# KiCad board corne-cherry.kicad_pcb (continued)
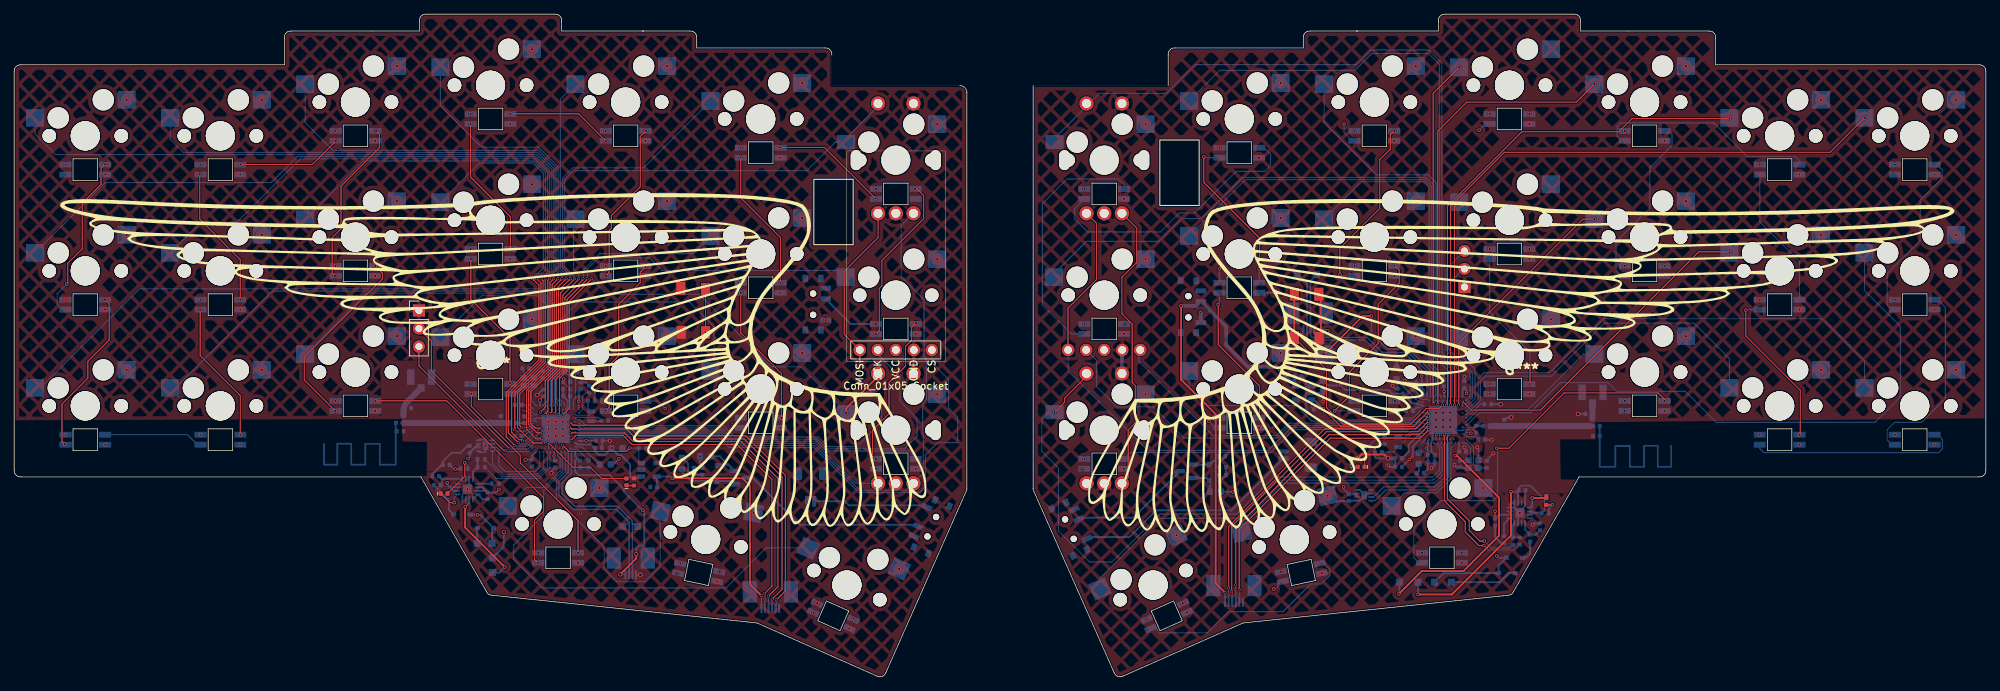
[diagram p0: board, top side]
## Routing (per net, layer and track width the routed paths; a pad name or vN(x,y) marks a point on that pad's centre or on a via; arc(x,y) is an arc through that point) (continued)
/left/KEY5: length 54.1
  Top w0.15: v3(77.84,56.17) 77.67,56 77.67,55.99 76.46,54.78 76.46,43.78 72.85,40.17 72.85,35.73 73.49,35.09 74.41,35.09 v3(74.41,35.1) 74.39,35.09 74.4,35.09
  Bottom w0.15: 74.4,35.09 74.2,35.09 U1.P23 ; v3(77.84,56.17) 77.84,56.77 77.02,57.6 77.02,81.51 SW5.1
/left/KEY6: length 30
  Top w0.15: v3(75.53,37.08) 75.52,37.08 75.81,37.38 75.81,41.85 77.36,43.41 77.36,53.85 79.61,56.1 v3(79.61,56.17)
  Bottom w0.15: 75.55,37.11 75.86,37.43 75.86,37.76 ; v3(79.61,56.17) 79.61,56.77 78.87,57.51 78.87,64.32
/left/KEY7: length 9.3
  Bottom w0.15: SW7.1 77.72,45.53 76.9,44.72 76.9,39.23 77.61,38.52 U1.A8
/left/KEY8: length 37.2
  Bottom w0.15: SW8.1 91.11,15.6 88.92,13.42 84.97,13.42 83.2,15.19 83.2,18.35 76.47,25.08 76.47,27.68 77.72,28.92 77.72,31.65 77.61,31.76
/left/KEY9: length 12.3
  Bottom w0.15: SW9.1 72.23,26.72 74.66,26.72 77,29.05 77,30.88 76.61,31.27 76.61,31.76
/left/KEY10: length 32.6
  Bottom w0.15: SW10.1 66.02,53.84 73.68,53.84 75.32,52.19 75.32,39.08 74.61,38.37 74.61,38.26
/left/KEY11: length 62.1
  Top w0.15: v3(70.6,32.63) 69.39,33.84 69.39,40.1 73.98,44.7 73.98,55.29 73.54,55.74 73.53,55.74 73.28,55.99 73.28,56 v3(73.11,56.17)
  Bottom w0.15: v3(70.6,32.63) 70.67,32.56 72.41,32.56 U1.W24 ; v3(73.11,56.17) 73.11,56.18 74.62,57.68 74.62,71.08 73.21,72.49 65.62,72.49 SW11.1
/left/KEY12: length 67.6
  Top w0.15: v3(77.25,56.17) 77.08,56 77.08,55.99 76.16,55.07 76.16,43.91 72.55,40.29 72.55,35.61 73.74,34.42 v3(74.49,34.44)
  Bottom w0.15: v3(77.25,56.17) 77.25,56.94 76.72,57.47 76.72,71.95 73.95,74.72 65.96,74.72 60.09,80.58 SW12.1 ; U1.T23 74.02,34.42 74.47,34.42
/left/KEY13: length 85.8
  Top w0.15: 74.35,33.69 74.34,33.69 v3(74.41,33.7) 74.36,33.69 73.5,33.69 72.25,34.94 72.25,40.41 75.86,44.03 75.86,55.36 76.66,56.16 v3(76.66,56.17)
  Bottom w0.15: v3(76.66,56.17) 76.66,57.11 76.42,57.35 76.42,71.82 73.95,74.29 44.95,74.29 41.04,78.2 SW13.1 ; 74.35,33.69 74.16,33.5 U1.V23
/left/KEY14: length 81.8
  Top w0.15: v3(73.7,56.17) 73.7,56.16 74.28,55.57 74.28,44.57 69.69,39.98 69.69,34.41 v3(71.07,33.03)
  Bottom w0.15: 73.11,33.76 72.21,32.86 71.24,32.86 v3(71.07,33.03) ; v3(73.7,56.17) 73.7,56.18 74.92,57.39 74.92,71.2 73.33,72.79 49.27,72.79 41.07,64.58
/left/KEY15: length 53
  Bottom w0.15: SW15.1 49.65,54.14 73.8,54.14 75.62,52.32 75.62,38.27
/left/KEY16: length 73.9
  Bottom w0.15: U1.A14 76.12,38.26 76.12,38.74 75.92,38.93 75.92,52.44 73.92,54.44 36.41,54.44 22.74,40.77
/left/KEY17: length 102.5
  Top w0.15: v3(71.71,33.28) 71.53,33.46 71.2,33.46 70.15,34.51 70.15,40.01 74.58,44.45 74.58,55.86 74.29,56.16 v3(74.29,56.17)
  Bottom w0.15: SW17.1 26.31,64.14 31.39,64.14 40.35,73.09 73.45,73.09 75.22,71.33 75.22,57.1 74.29,56.18 v3(74.29,56.17) ; 73.11,34.26 72.14,33.28 v3(71.71,33.28)
/left/KEY18: length 99.2
  Top w0.15: v3(76.07,56.17) 76.07,56.16 75.56,55.65 75.56,44.15 71.3,39.89 71.3,35.46 v3(71.56,35.2)
  Bottom w0.15: v3(76.07,56.17) 76.12,56.22 76.12,71.7 73.83,73.99 23.85,73.99 21.99,75.85 SW18.1 ; U1.J24 72.56,35.2 v3(71.56,35.2)
/left/KEY19: length 121.2
  Top w0.15: v3(75.48,56.17) 75.26,55.95 75.26,44.28 71,40.01 71,35.16 73.17,32.99 v3(74.65,32.99)
  Bottom w0.15: v3(75.48,56.17) 75.48,56.18 75.82,56.52 75.82,71.58 73.7,73.69 5.85,73.69 2.94,76.6 SW19.1 ; v3(74.65,32.99) 73.63,32.99
/left/KEY20: length 120.5
  Top w0.15: v3(70.6,34.86) 70.6,40.04 74.88,44.32 v3(74.88,56.17)
  Bottom w0.15: SW20.1 12.86,69.74 36.25,69.74 39.9,73.39 73.58,73.39 75.52,71.45 75.52,56.97 74.88,56.34 v3(74.88,56.17) ; v3(70.6,34.86) 70.81,34.66 72.14,34.66 72.29,34.82 72.67,34.82 73.11,35.26
/left/KEY21: length 93.7
  Bottom w0.15: 76.61,38.26 76.61,38.67 76.22,39.06 76.22,52.57 74.05,54.74 17.66,54.74 3.69,40.77
/left/KEYEX1: length 84.8
  Top w0.15: v3(74.87,36.98) 74.88,36.99 74.88,37.04 75.26,37.43 75.26,41.73 77.06,43.53 77.06,54.2 78.86,55.99 78.86,56 v3(79.02,56.17)
  Bottom w0.15: 74.88,36.97 74.88,37.27 75.36,37.76 ; 117.33,76 121.83,80.5 ; v3(79.02,56.17) 79.02,56.44 77.64,57.82 77.64,70.26 78.8,71.42 111.77,71.42 115.8,75.44
  Bottom w0.254: EXSW1.S2 115.8,75.44
/left/KEYEX2: length 61.8
  Top w0.15: v3(76.72,37.01) 76.72,37.01 76.91,37.19 76.91,42.11 77.96,43.16 77.96,53.24 80.8,56.07 v3(80.8,56.17)
  Bottom w0.15: 76.73,37.01 76.86,37.15 76.86,37.76 ; 117.24,56.87 EXSW2.1 ; 117.33,56.39 116.38,57.34 91.38,57.34 89.6,59.12 82.42,59.12 80.84,57.53 80.84,56.21 v3(80.8,56.17)
/left/KEYEX3: length 72.4
  Top w0.15: v3(81.39,56.17) 81.39,56.11 78.26,52.99 78.26,37.89 77.33,36.96 v3(77.33,36.96)
  Top w0.254: 121.83,42.4 117.33,37.9 v1(117.33,37.27)
  Bottom w0.15: v3(81.39,56.17) 83.24,54.32 83.25,54.32 83.6,53.97 96.61,53.97 106.84,43.74 110.93,43.74 117.33,37.34 ; 77.33,36.95 77.36,36.99 77.36,37.76
/left/LED: length 49.3
  Bottom w0.15: 127.13,30.99 126.24,31.88 114.51,31.88 113.14,33.24 101.22,33.24 99.62,34.84 80.24,34.84 79.83,35.25 U1.L1
/left/RE0A: length 82.9
  Top w0.15: EXSW1.A 121.83,61.98 117.06,57.21 117.06,48.32 119.25,46.13 119.25,44.33 119.25,44.33
  Bottom w0.15: 79.61,36.26 79.83,36.26 80.64,35.44 100,35.44 101.6,33.84 113.39,33.84 114.75,32.48 118.83,32.48 122.29,35.93 122.29,38.74 119.25,41.78 119.25,46.13 119.25,44.33 119.25,44.33
/left/RE1A: length 64.4
  Bottom w0.15: 121.79,46.13 121.79,45.48 124.9,42.37 124.9,38.89 127.32,36.47 127.32,33.92 125.57,32.18 114.63,32.18 113.27,33.54 101.35,33.54 99.75,35.14 80.44,35.14 79.83,35.76 79.61,35.76
/left/RE2A: length 45.3
  Bottom w0.15: EXSW3.A 118.66,27.3 113.02,32.94 101.1,32.94 99.5,34.54 80.04,34.54 79.83,34.75 U1.N1
/left/REB: length 92
  Bottom w0.15: EXSW1.B 125.09,63.67 125.09,56.44 128.32,53.21 128.32,45.14 128.64,44.82 128.64,39.15 128.12,38.62 128.12,34.36 128.2,34.27 128.2,28.68 EXSW3.B 125.84,26.32 119.21,26.32 112.89,32.64 100.97,32.64 99.37,34.24 79.63,34.24
/left/SWC: length 25.8
  Top w0.15: v3(69.79,32.24) 58.83,43.19 58.83,47.39 J4.2
  Bottom w0.15: v3(69.79,32.24) 69.85,32.17 72.53,32.17 73.11,32.76
/left/SWD: length 24
  Top w0.15: v3(69.32,31.95) 69.01,31.95 57.07,43.89 J4.3
  Bottom w0.15: v3(69.32,31.95) 69.5,31.78 72.63,31.78 U1.AC24
/right/BAT_SCL: length 16.6
  Bottom w0.15: U4.7 191.72,25.37 193.15,26.8 200.38,26.8 201.97,28.39 201.97,32.77 U2.A14
/right/BAT_SDA: length 16.8
  Bottom w0.15: 191.64,24.87 191.93,24.87 193.43,26.37 200.45,26.37 202.29,28.21 202.29,32.93 202.23,32.98
/right/BLED: length 13.8
  Top w0.15: v3(188.38,29.32) 188.68,29.62 D6.2
  Bottom w0.15: v3(188.38,29.32) 188.38,29.91 193.05,34.58 196.25,34.58 196.67,35 U2.G1
/right/CHG_CTRL_1: length 24.9
  Top w0.15: v4(201.72,34.22) 201.7,34.19 201.7,24.82 204.62,21.89 204.62,20.43 206.54,18.51 v4(207.26,18.51)
  Bottom w0.15: v4(207.26,18.51) 207.88,17.89 211.61,17.89 R16.1 ; v4(201.72,34.22) 201.62,34.12 201.62,33.62 U2.B13
/right/CHG_CTRL_2: length 23.1
  Top w0.15: v4(202.36,34.19) 202.36,34.16 202.11,33.91 202.11,25.12 205.2,22.03 205.2,20.67 206.72,19.15 v1(207.31,19.15)
  Bottom w0.15: v1(207.31,19.15) 208.27,18.2 210.85,18.2 R17.2 ; U2.B15 202,33.83 v4(202.36,34.19)
/right/CS: length 46.9
  Bottom w0.15: 158.8,46.13 158.62,45.94 158.62,44.52 169.08,34.05 178.05,34.05 179.79,35.79 195.75,35.79 196.17,36.21 197.46,36.21 U2.R1
/right/KEY1: length 60.3
  Bottom w0.15: U2.A10 200.75,32.93 201.36,32.31 201.36,29 200.12,27.75 178.16,27.75 172.77,22.36 161.54,22.36 153.11,13.93 rSW1.1
/right/KEY2: length 37.4
  Bottom w0.15: rSW2.1 165.68,40.88 168.28,38.29 180.79,38.29 182.99,36.09 195.59,36.09 196.01,36.51 197.26,36.51 U2.U1
/right/KEY3: length 68.2
  Bottom w0.15: rSW3.1 173.63,70.16 199,70.16 199.85,69.31 199.85,44.14 200.85,43.14 200.85,39.9 U2.AD12
/right/KEY4: length 86.6
  Bottom w0.15: rSW4.1 170,85.57 189.05,85.57 191.44,87.95 199.44,87.95 200.97,86.42 200.97,45.53 203.25,43.26 U2.AD20
/right/KEY5: length 55.9
  Bottom w0.15: rSW5.1 184.73,78.2 192.1,70.83 199.39,70.83 200.57,69.65 200.57,45.47 202.75,43.3 U2.AD18
/right/KEY6: length 47.5
  Bottom w0.15: rSW6.1 190,69.85 198.87,69.85 199.55,69.18 199.55,43.93 200.47,43 200.47,39.77 U2.AD10
/right/KEY7: length 25.8
  Top w0.203: v1(191.41,50.92) 190.2,50.92 184.81,45.53 v1(184.73,45.53)
  Bottom w0.203: U2.AD8 200.12,39.62 200.12,42.76 196.62,46.27 193.59,46.27 191.41,48.45 v1(191.41,50.92)
/right/KEY8: length 36
  Bottom w0.15: U2.A12 201.67,32.58 201.67,28.73 200.28,27.34 178.83,27.34 173.07,21.58
/right/KEY9: length 15.3
  Bottom w0.15: U2.A20 202.6,32.36 202.6,27.95 200.61,25.96 196.12,25.96 rSW9.1
/right/KEY10: length 11.4
  Bottom w0.15: rSW10.1 203.78,45.65 206.01,43.41 206.01,39.27 U2.W24
/right/KEY11: length 29.6
  Top w0.15: v1(203.78,66.96) 203.12,66.3 v3(203.12,38.34)
  Bottom w0.15: U2.AC19 203.12,38.88 v3(203.12,38.34)
/right/KEY12: length 49.9
  Top w0.15: 203.65,86.14 v1(203.78,86.01) 200.1,82.33 v3(200.1,38.52)
  Bottom w0.15: U2.AC9 200.1,38.6 v3(200.1,38.52)
/right/KEY13: length 64.1
  Top w0.15: v1(222.83,83.63) 220.29,81.09 204.83,81.09 200.77,77.02 v3(200.77,38.42)
  Bottom w0.15: U2.AC11 200.77,38.77 v3(200.77,38.42)
/right/KEY14: length 35.8
  Top w0.15: v3(203.71,38.35) 203.71,47.08 221.21,64.58 v1(222.83,64.58)
  Bottom w0.15: U2.AC21 203.71,38.79 v3(203.71,38.35)
/right/KEY15: length 22
  Bottom w0.15: rSW15.1 221.32,45.53 213.49,37.7 206.45,37.7 U2.L24
/right/KEY16: length 50.3
  Bottom w0.15: U2.R24 206.76,39.01 206.76,41.72 207.48,42.44 216.79,42.44 224.26,49.91 236.9,49.91 241.88,44.92 rSW16.1
/right/KEY17: length 48.3
  Top w0.15: v1(241.88,59.82) 241.74,59.96 237.55,59.96 215.23,37.63 205.48,37.63 v3(204.18,38.94)
  Bottom w0.15: v3(204.18,38.94) 204.25,38.87 U2.Y23
/right/KEY18: length 73.8
  Top w0.15: v1(241.88,78.87) 241.77,78.76 228.14,78.76 226.29,76.91 212.63,76.91 202.12,66.41 202.12,38.44 v3(201.98,38.3)
  Bottom w0.15: U2.AC15 202,38.32 v3(201.98,38.3)
/right/KEY19: length 92.3
  Top w0.15: v3(202.56,38.34) 202.56,66.42 210.15,74.01 256.07,74.01 v1(260.93,78.87) 260.95,78.89 260.95,78.89
  Bottom w0.15: U2.AC17 202.5,38.4 v3(202.56,38.34)
/right/KEY20: length 89.9
  Bottom w0.15: rSW20.1 260.93,54.51 265.98,49.46 265.98,39.5 262.39,35.91 240.03,35.91 235.65,40.28 225.99,40.28 224.76,41.51 218.03,41.51 213.8,37.28 206.63,37.28 204.85,35.5 U2.J24
/right/KEY21: length 69.5
  Bottom w0.15: rSW21.1 260.93,44.56 254.96,50.53 224.13,50.53 216.51,42.91 207.27,42.91 206.45,42.09 206.45,39.21 U2.U24
/right/KEYEX1: length 108.6
  Bottom w0.15: 146.72,76 153.05,82.33 162.49,82.33 166.55,86.39 189.24,86.39 191.29,88.43 199.47,88.43 201.33,86.57 201.33,45.72 203.75,43.31 U2.AD22
/right/KEYEX2: length 90.3
  Bottom w0.15: U2.AD16 202.25,43.16 200.18,45.22 200.18,69.4 199.12,70.46 173.23,70.46 167.43,64.67 164.66,64.67 161.44,61.45 151.22,61.45 146.72,56.95
/right/KEYEX3: length 90.1
  Top w0.15: v4(146.72,37.34) 148.13,38.76 148.13,39.32 151.22,42.4
  Bottom w0.15: 145.91,37.34 144.91,36.34 144.91,31.81 147.27,29.46 147.27,20.58 151.64,16.21 154.83,16.21 161.58,22.96 172.44,22.96 177.66,28.19 200.01,28.19 201.02,29.2 201.02,32.22 U2.A8
/right/LED: length 43.7
  Bottom w0.15: rEXLED3.4 157.42,31.66 177.24,31.66 180.46,34.88 196.13,34.88 196.55,35.3 198.05,35.3 U2.J1
/right/rD+: length 31.2
  Bottom w0.2: 199.75,39.51 199.75,42.64 196.6,45.79 192.9,45.79 190.81,47.88 183.09,47.88 182.81,48.16 J8.3
  Bottom w0.203: TP11.1 182.81,55.91 182.81,48.97
/right/rD-: length 31.1
  Bottom w0.2: 199.25,39.52 199.25,42.5 196.41,45.34 192.71,45.34 190.52,47.53 182.61,47.53 182.36,47.78 182.36,48.65
  Bottom w0.203: J8.2 182.31,55.51 181.14,56.68
/right/RE0A: length 80.4
  Top w0.15: rEXSW1.A 152.63,63.98 152.63,56.06 148.61,52.04 148.61,46.15 148.64,46.13
  Bottom w0.15: U2.L1 197.85,35.6 196.42,35.6 196,35.18 180.04,35.18 176.81,31.96 159.84,31.96 148.64,43.16 148.64,46.13
/right/RE1A: length 55.5
  Bottom w0.15: 151.18,46.13 152.63,44.67 152.63,40.98 155.51,38.1 160.57,38.1 164.97,33.7 178.13,33.7 179.91,35.49 195.88,35.49 196.3,35.91 197.66,35.91 U2.N1
/right/RE2A: length 75.6
  gnd w0.15: rEXSW3.A 151.22,25.77 166.58,10.41 189.77,10.41 193.93,14.57 193.93,24.16 201.15,31.38 v3(201.15,34.16)
  Bottom w0.15: v3(201.15,34.16) 201,34.01 U2.B11
/right/REB: length 108.3
  Top w0.15: rEXSW3.B 157.09,28.17 157.09,34.82 158.1,35.84 158.1,41.09 157.66,41.54 157.66,49.79 156.22,51.23 156.22,56.38 158.3,58.46 158.3,63.32 rEXSW1.B
  gnd w0.15: rEXSW3.B 156.22,25.79 170.56,11.45 186.48,11.45 192.32,17.29 192.32,24.77 200.56,33.01 v4(200.56,34.16)
  Bottom w0.15: v4(200.56,34.16) 200.5,34.1 U2.B9
/right/SWCLK: length 21.7
  Bottom w0.15: 204.34,57.55 202.24,55.46 202.24,46.23 205.62,42.85 205.62,39.38 U2.AA24
/right/SWD: length 23.8
  Bottom w0.15: U2.AC24 205.32,39.57 205.32,42.73 201.91,46.14 201.91,57.48 rJ4.3
BAT_I2C_SCL: length 11.8
  Bottom w0.15: U6.7 67.99,32.37 68.36,32 68.36,29.84 69.25,28.95 73.51,28.95 74.11,29.56 74.11,31.76
BAT_I2C_SDA: length 12.3
  Bottom w0.15: 74.61,31.76 74.69,31.68 74.69,29.49 73.79,28.59 68.92,28.59 67.45,30.06 U6.8
BATT: length 15.7
  Bottom w0.254: J2.2 117.12,24.77 117.7,24.19 128.32,24.19
BLUE_LED: length 14.1
  Top w0.15: D4.2 82.83,27.99 81.25,29.57 78.82,29.57 75.32,33.07 v3(75.25,33.07)
  Bottom w0.15: v3(75.25,33.07) 75.36,32.96 U1.AC17
CHARGE_CTRL_1: length 12.7
  Bottom w0.15: R9.1 67.98,27.99 74.04,27.99 75.54,29.5 75.54,31.68 75.61,31.76
CHARGE_CTRL_2: length 12.6
  Bottom w0.15: 75.11,31.76 75.19,31.68 75.19,29.57 73.91,28.29 68.77,28.29 R10.2
MOTION_2: length 53.9
  Top w0.15: 78.35,35.99 78.83,35.51 86.5,35.51 87.99,34.02 103.17,34.02 108.76,28.44 108.76,12.13 v3(107.48,10.86)
  Bottom w0.15: v3(107.48,10.86) 107.48,9.75 J12.5 ; 78.35,35.99 v3(78.35,35.99) 78.35,35.99 ; 78.35,35.99 78.83,35.51 79.11,35.51
MOTION_r: length 43.8
  Top w0.15: v4(199.49,34.88) 198.27,33.66 185.6,33.66 172.75,20.81 172.75,12.32 v3(172.77,12.3)
  Bottom w0.15: v3(172.77,12.3) J11.5 ; U2.H2 199.13,35.25 v4(199.49,34.88)
NCS_2: length 50.7
  Top w0.15: v3(105.83,11.77) 106.86,12.79 106.86,27.86 101.94,32.78 87.16,32.78 85.87,34.07 79.22,34.07 78.52,33.37
  Bottom w0.15: v3(105.83,11.77) 105.88,11.73 J12.2 ; v3(78.53,33.37) 78.52,33.38 78.52,33.42 79.11,34.01
NCS_r: length 46.2
  Top w0.15: v3(171.27,12.57) 171.27,21.23 178.23,28.19 178.23,28.44 184.77,34.98 197.61,34.98 v4(199.44,36.81)
  Bottom w0.15: v4(199.44,36.81) 199.38,36.75 U2.P2 ; v3(171.27,12.57) J11.2
PPH_VCC: length 109
  Top w0.254: v3(105.36,11.47) 103.75,13.07 103.75,17.8 103.76,17.8 103.76,18.86 103.75,18.87 103.75,26.97 102.72,28.01 v1(92.78,28.01)
  power w0.254: 124.33,39.84 J7.3 124.33,46.13 ; 124.33,39.84 128.25,35.91 128.25,35.45 128.13,35.33 128.13,34.27 128.25,34.15 128.25,26.07 126.55,24.37 106.35,24.37 102.71,28.01 v1(92.78,28.01) ; 124.33,39.84 121.48,39.84 114.25,47.07 114.25,50.15 v1(114.42,50.33)
  Bottom w0.15: J12.1 105.38,11.45 v3(105.36,11.47)
  Bottom w0.254: v1(92.78,28.01) 92.52,28.27 U5.5 ; C19.2 90.66,28.25
PPH_VCC_CTRL: length 14
  Top w0.15: v1(86.82,32.29) 86.34,31.82 78.23,31.82 v3(77.36,32.69)
  Bottom w0.15: v1(86.82,32.29) 86.84,32.27 R4.1 88.09,30.53 U5.3 ; v3(77.36,32.69) 77.36,32.26
SCLK_2: length 53
  Top w0.15: 78.35,35.24 78.63,34.96 86.32,34.96 87.72,33.57 102.94,33.57 108.28,28.23 108.28,12.35 v3(106.9,10.97)
  Bottom w0.15: v3(106.9,10.97) 106.88,10.95 J12.4 ; 78.35,35.24 78.36,35.23 v3(78.32,35.23) 78.32,35.27 78.58,35.01 79.11,35.01
SCLK_r: length 44.6
  Top w0.15: v3(199.5,35.48) 199.46,35.48 198.15,34.17 185.39,34.17 172.27,21.05 v3(172.27,12.97)
  Bottom w0.15: U2.K2 199.23,35.75 v3(199.5,35.48) ; v3(172.27,12.97) J11.4
SDIO_2: length 51.6
  Top w0.15: v3(106.36,11.38) 107.71,12.73 107.71,28 102.5,33.21 87.3,33.21 86.09,34.41 78.4,34.41 v3(78.4,34.41)
  Bottom w0.15: 79.11,34.51 78.49,34.51 v3(78.4,34.42) ; v3(106.36,11.38) 106.38,11.36 J12.3
SDIO_r: length 45.5
  Top w0.15: v4(199.49,36.11) 197.97,34.59 185.05,34.59 171.7,21.23 v3(171.7,12)
  Bottom w0.15: v3(171.7,12) 171.77,11.93 J11.3 ; U2.M2 199.36,36.25 v4(199.49,36.11)
Net-(AE2-A): length 4.9
  Bottom w0.855: R7.2 54.89,37.45 arc(55.05,38.22) 55.48,38.87 AE2.1
Net-(AE3-A): length 2.2
  Bottom w0.855: R5.2 222.56,38.56
Net-(C13-Pad2): length 14.9
  Bottom w0.855: R7.1 69.84,35.83
Net-(C40-Pad2): length 14.2
  Bottom w0.855: L8.1 222.33,35.38
Net-(D1-A): length 2.2
  Bottom w0.254: D1.2 65.3,18.82
Net-(D2-K): length 5.3
  Bottom w0.254: 61.96,22.89 61.31,23.54 61.31,24.92 F2.2
Net-(D3-A): length 6.3
  Top w0.15: D3.2 63.54,28.29 v1(63.54,30.2)
  Bottom w0.15: v1(63.54,30.2) 63.93,29.81 R11.2
Net-(D3-K): length 3.8
  Top w0.15: v1(62.04,24.58) 61.42,24.58 D3.1
  Bottom w0.15: U7.9 62.04,25.3 v1(62.04,24.58)
Net-(D4-K): length 1
  Top w0.15: R13.2 86.4,26.98
Net-(D5-A): length 10.5
  Bottom w0.254: 101.08,27.65 95.43,27.65 93.89,29.19 ; 101.08,27.65 99.1,27.65 ; 101.08,27.65 Q1.1
Net-(D5-K): length 7
  Bottom w0.254: F3.1 99.51,31.12 Q1.2 100.68,29.95 99.1,29.95
Net-(D6-K): length 1.1
  Top w0.15: D6.1 190.43,30.75
Net-(D7-A): length 4
  Bottom w0.254: Q2.1 168.46,29.95 ; R15.1 168.69,30 D7.2
Net-(D7-K): length 3.9
  Bottom w0.254: Q2.2 168.16,28.05 D7.1 ; F4.1 168.6,27.61
Net-(D8-K): length 3
  Bottom w0.254: D8.1 213.17,16.8 213.78,17.41 F5.2
Net-(D9-A): length 2.3
  Top w0.15: D9.2 216.91,24.25 v1(216.92,24.26)
  Bottom w0.254: R18.2 216.42,23.76 v1(216.92,24.26)
Net-(D9-K): length 3.5
  Top w0.254: v1(214.07,25.22) D9.1
  Bottom w0.254: U8.9 214.07,24.17 v1(214.07,25.22)
Net-(D10-A): length 9.5
  Bottom w0.254: D10.2 210.76,14.63 209.48,13.35 TP7.1
Net-(EXLED1-DIN): length 23.9
  Top w0.15: v1(121.52,48.38) 122,48.86 122,54.81 122.37,55.18 122.37,58.76 128.25,64.64 128.25,67.92 127.34,68.83 v1(127.04,68.83)
Net-(EXLED1-DOUT): length 16.5
  Top w0.15: v1(108.01,74.69) 114.27,74.69 v1(121.48,67.48)
Net-(EXLED1-VDD): length 513.5
  power w0.254: v1(121.53,30.75) 118.17,30.75 111.2,37.73 103.34,37.73 102.48,36.86 v1(102.48,36.55) 99.56,36.55 ; 91.1,18.68 91.1,27.36 93.09,29.35 97.38,29.35 99.56,31.53 99.56,36.55 ; 91.1,18.68 74.76,18.68 73.9,17.81 v1(73.9,17.5) ; 91.1,18.68 93.79,15.99 v1(93.93,15.99) 93.93,13.6 97.16,10.38 v1(113.22,10.38) ; v1(102.48,74.65) 102.11,74.65 98.55,78.21 84.29,78.21 83.43,77.34 v1(83.43,77.03) 83.37,77.03 79.81,80.59 65.24,80.59 64.38,79.72 v1(64.38,79.41) 63.66,78.7 46.32,78.7 45.33,77.7 v1(45.33,77.03) 42.25,73.95 27.29,73.95 26.28,72.93 v1(26.28,72.27) 24.97,73.58 8.22,73.58 7.23,72.58 v1(7.23,72.27) 3.49,68.54 3.49,56.51 6.79,53.22 v1(7.23,53.22) ; v1(7.23,53.22) 7.23,53.53 8.09,54.39 25.1,54.39 v1(26.28,53.22) 26.28,53.88 27.25,54.86 42.2,54.86 v1(45.33,57.98) 45.33,58.29 46.67,59.64 63.65,59.64 v1(64.38,60.36) 64.38,60.67 65.74,62.04 79.35,62.04 83.4,57.98 v1(83.43,57.98) 82.25,59.16 98.92,59.16 98.92,59.13 101.27,56.78 103.34,56.78 ; v1(7.23,53.22) 3.6,49.6 3.6,37.35 6.79,34.17 v1(7.23,34.17) 7.23,34.48 8.09,35.34 25.1,35.34 v1(26.28,34.17) 26.28,34.48 27.65,35.85 42.25,35.85 v1(45.33,38.93) 45.33,39.6 45.84,40.11 55.94,40.11 56.53,39.52 62.58,39.52 v1(64.38,41.31) 64.38,41.62 65.31,42.56 79.77,42.56 83.4,38.93 v1(83.43,38.93) 83.43,39.24 84.37,40.19 95.92,40.19 99.56,36.55 ; v1(121.53,49.79) 115.85,49.79 111.89,53.75 111.89,53.81 108.92,56.78 103.34,56.78 ; 103.34,56.78 102.48,55.91 v1(102.48,55.6)
  power w0.508: v1(121.53,68.84) 121.53,73.69 122.47,74.63 122.47,76.31 121.36,77.42 111.04,77.42 109.56,75.93 103.36,75.93 102.48,75.04 v1(102.48,74.65)
  Bottom w0.254: v1(121.53,49.79) 117.96,49.79 SW24.2
Net-(EXLED2-DIN): length 23.3
  Top w0.15: v1(121.53,29.35) 121.05,29.83 121.05,34.81 123.36,37.13 123.36,41.51 125.69,43.84 125.69,46.62 126.55,47.48 126.55,49.3 v1(127.18,49.93)
Net-(J9-Pin_2): length 31.8
  Bottom w0.254: 151.76,19.72 157.27,19.72 161.03,23.48 171.65,23.48 J9.2
Net-(L1-Pad2): length 1.8
  Bottom w0.15: L2.1 78.42,42.28 L1.2
Net-(L5-Pad2): length 1.7
  Bottom w0.254: L5.2 198.09,29.01 198.09,30.31
Net-(LED1-DIN): length 37
  gnd w0.15: v1(118.4,8.22) 119.75,9.57 119.75,17.07 v3(101.25,35.57)
  Bottom w0.15: LED2.2 101.67,35.15 v3(101.25,35.57)
Net-(LED1-DOUT): length 15.6
  gnd w0.15: v1(112.73,9.01) 105.31,9.01 v3(99.5,14.82)
Net-(LED2-DIN): length 20.1
  Top w0.15: v1(108.19,36.5) 108.19,42.81 102.46,48.54 102.46,54.17 v1(102.47,54.18)
Net-(LED3-DIN): length 20
  Top w0.15: v1(102.46,73.27) 102.46,67.59 108.07,61.98 v1(108.07,55.61)
Net-(LED5-DIN): length 22.8
  Top w0.15: v1(83.46,56.59) 83.9,57.03 83.9,63.01 84.22,63.32 84.22,65.08 88.3,69.17 88.3,76.25 v1(89.09,77.04)
Net-(LED6-DIN): length 22.6
  Top w0.15: v1(89.01,57.82) 88.3,57.11 88.3,55.62 85.26,52.58 85.26,45.32 83.9,43.96 83.9,38.03 v1(83.44,37.57)
Net-(LED7-DIN): length 29.4
  gnd w0.15: v3(93.46,14.57) 93.46,19.29 96.09,21.92 96.09,33.58 v1(91.81,37.86)
  Bottom w0.15: LED7.4 90.74,38.93 v1(91.81,37.86)
Net-(LED10-DIN): length 19.8
  Top w0.15: v1(64.4,58.94) 64.4,53.26 69.92,47.74 v1(69.92,41.46)
Net-(LED10-DOUT): length 28.7
  Top w0.15: v1(79.51,17.5) 79.51,22.04 71.38,30.17 71.38,31.25 64.47,38.16 v1(64.47,39.94)
Net-(LED11-DIN): length 20
  Top w0.15: v1(69.98,60.35) 69.98,64.91 64.36,70.53 v1(64.36,77.99)
Net-(LED12-DIN): length 15.1
  Top w0.15: v1(83.44,75.6) 79.6,79.44 v1(69.96,79.44)
Net-(LED13-DIN): length 23.5
  Top w0.15: v1(45.24,56.58) 44.85,56.97 44.85,61.98 46.09,63.22 46.09,69.25 51.5,74.66 51.5,76.54 v1(51.04,77)
Net-(LED13-DOUT): length 14.8
  Top w0.15: v1(31.92,72.29) 42.05,72.29 v1(45.36,75.6)
Net-(LED14-DIN): length 27.2
  Top w0.15: v1(45.27,37.53) 40.91,41.89 40.91,45.14 51.95,56.18 51.95,56.93 v1(50.93,57.95)
Net-(LED15-DIN): length 39.3
  Top w0.15: v1(73.85,16.08) 73.37,16.56 73.37,22.07 74.67,23.37 74.67,25.26 60.98,38.95 v1(50.95,38.95)
Net-(LED16-DIN): length 20
  Top w0.15: v1(26.23,51.8) 26.23,45.33 31.89,39.67 v1(31.89,34.17)
Net-(LED16-DOUT): length 13.6
  Bottom w0.15: LED21.4 24.44,34.17 25.84,32.77
Net-(LED17-DIN): length 20.1
  Top w0.15: v1(31.88,53.21) 31.88,58.88 26.17,64.59 v1(26.17,70.91)
Net-(LED19-DIN): length 23.6
  Top w0.15: v1(12.81,72.32) 12.25,71.76 12.25,69.46 9.6,66.82 9.6,60.41 7.55,58.36 7.55,55.56 v1(7.4,55.4)
  Bottom w0.15: v1(7.4,55.4) 6.06,54.06 6.06,52.55 6.79,51.82
Net-(LED20-DIN): length 23.5
  Top w0.15: v1(12.81,53.22) 13.4,52.63 13.4,47.54 10.38,44.53 10.38,42.14 6.75,38.5 6.75,33.2 v1(7.12,32.83)
Net-(Q1-D): length 26.4
  Bottom w0.254: Q1.3 104.11,28.11 110.77,21.45 127.11,21.45
Net-(Q2-D): length 16.5
  Bottom w0.254: 150.54,22.46 157.83,22.46 Q2.3
Net-(rEXLED1-DIN): length 35.8
  Bottom w0.15: rEXLED2.2 149.09,48.39 144.99,52.49 144.99,66.76 148.48,70.25 155.66,70.25 156.52,69.4 rEXLED1.4
Net-(rEXLED1-DOUT): length 38.6
  Bottom w0.15: 176.25,74.65 177.17,73.73 177.17,72.13 176.35,71.31 172.3,71.31 166.43,65.45 164.34,65.45 161.66,62.77 151.37,62.77 149.54,64.61 149.54,66.06 rEXLED1.2
Net-(rEXLED2-DIN): length 28.1
  gnd w0.15: v3(150.63,29.25) 151.39,30.01 151.39,36.06 153.44,38.11 156.99,38.11 159.87,40.98 159.87,46.51 v3(156.63,49.75)
  Bottom w0.15: rEXLED3.2 150.73,29.35 v3(150.63,29.25)
Net-(rLED1-DIN): length 28.5
  power w0.15: v1(168.49,36.05) 168.49,14.06 164.82,10.38 v1(164.82,10.38)
  Bottom w0.15: 169.39,35.15 v1(168.49,36.05)
Net-(rLED1-DOUT): length 31.8
  Bottom w0.15: rLED8.4 184.67,15.99 185.54,15.12 185.54,14.3 184.33,13.1 182.85,13.1 178.95,9.2 171.27,9.2 168.28,6.21 161.59,6.21 161.38,6.3 161.05,7.03 161.05,7.03 160.85,6.83 rLED1.2
Net-(rLED2-DIN): length 20.2
  Top w0.15: v1(175.57,36.55) 175.62,36.61 175.62,41.04 169.79,46.87 v1(169.79,52.55)
  Bottom w0.15: v1(169.79,52.55) 169.97,52.72 rLED3.2
Net-(rLED3-DIN): length 23.3
  Top w0.15: v1(167.76,73.37) 167.76,69.78 175.62,61.91 175.62,57.62 v1(175.57,57.56)
  Bottom w0.15: v1(167.76,73.37) 167.88,73.25 rLED4.2
  Bottom w0.203: rLED3.4 v1(175.57,57.56)
Net-(rLED5-DIN): length 25.6
  Top w0.15: v1(194.62,77.03) 194.07,76.49 194.07,74.48 192.57,72.98 192.57,66.09 186.95,60.47 v1(186.95,56.75)
  Bottom w0.15: rLED6.2 187.12,56.58 v1(186.95,56.75)
Net-(rLED6-DIN): length 27.4
  Top w0.15: v1(186.2,37.53) 188.29,39.62 188.29,42.99 192.35,47.05 192.35,52.6 195.32,55.57 195.32,57.37 v1(194.66,58.03)
  Bottom w0.15: v1(186.2,37.53) 186.2,37.53 rLED7.2
Net-(rLED7-DIN): length 40.5
  gnd w0.15: v1(194.71,38.94) 195.88,37.77 195.88,30.59 190.74,25.45 190.74,18.72 184.27,12.26 177.73,12.26 v1(177.6,12.39)
  Bottom w0.15: v1(177.6,12.39) 177.84,12.39 rLED8.2
Net-(rLED10-DIN): length 20
  Top w0.15: v1(213.67,41.31) 213.76,41.41 v1(213.76,44.15)
  Bottom w0.15: rLED11.2 208.07,51.46 213.76,45.77 v1(213.76,44.15)
Net-(rLED10-DOUT): length 24.2
  gnd w0.15: v1(208.07,39.91) 207.87,39.91 207.59,39.63 207.59,27.84 204.14,24.39 v1(204.14,17.5)
Net-(rLED11-DIN): length 20.9
  gnd w0.15: v1(206.59,77.13) 206.59,71.99 213.56,65.02 213.56,60.46 v1(213.67,60.36)
  Bottom w0.15: 207.47,78.01 v1(206.59,77.13)
Net-(rLED12-DIN): length 30.7
  gnd w0.15: v1(213.67,79.41) 213.67,79.65 212.78,80.54 208.49,80.54 206.11,78.16 187.65,78.16 v1(187.54,78.05)
  Bottom w0.15: 188.7,75.63 187.54,76.79 v1(187.54,78.05)
Net-(rLED13-DIN): length 24.2
  Bottom w0.15: 233.42,77.03 233.79,76.66 233.79,74.99 230.66,71.86 230.66,66.14 225.89,61.37 225.89,57.37 226.68,56.58
Net-(rLED13-DOUT): length 31
  Bottom w0.15: rLED18.4 251.77,72.83 251.2,73.39 244.44,73.39 239.68,78.16 226.51,78.16 226.04,77.69 226.04,76.27 226.68,75.63
Net-(rLED14-DIN): length 23.3
  gnd w0.15: v1(232.72,57.98) 233.34,57.36 233.34,56.35 228.95,51.97 228.95,45.32 227.59,43.96 227.59,38.01 v1(227.12,37.53)
Net-(rLED15-DIN): length 53.2
  Top w0.15: v1(232.72,38.93) 232.72,39.18 231.84,40.06 218.59,40.06 210.79,32.26 v1(209.07,32.26)
  Bottom w0.15: v1(209.07,32.26) 209.18,32.15 209.18,25.46 208.58,24.86 201.2,24.86 197.38,21.04 197.38,16.82 198.1,16.1
Net-(rLED16-DIN): length 22.8
  Top w0.15: v1(251.77,34.17) 251.88,34.28 251.88,40.42 244.2,48.1 v1(244.2,51.73)
  Bottom w0.15: rLED17.2 244.29,51.82 v1(244.2,51.73)
Net-(rLED16-DOUT): length 29
  Bottom w0.15: rLED16.2 246.17,32.21 246.74,31.63 271.39,31.63 271.9,32.14 271.9,33.52 271.25,34.17
Net-(rLED17-DIN): length 20
  Bottom w0.15: rLED18.2 246.17,64.19 251.77,58.59 rLED17.4
Net-(rLED19-DIN): length 24.2
  Bottom w0.15: 271.15,72.27 271.89,71.53 271.89,70.35 268.78,67.24 268.78,61.56 264.14,56.92 264.14,52.46 264.78,51.82
Net-(rLED20-DIN): length 26.8
  Bottom w0.15: 264.78,32.77 264.14,33.41 264.14,34.84 265.2,35.91 268.98,35.91 272.34,39.27 272.34,52.13 271.25,53.22
Net-(SW22-A): length 523
  power w0.508: v1(246.17,34.17) 246.14,34.19 246.14,38.96 247.11,39.93 247.11,41.58 246.13,42.56 246.13,53.18 v1(246.17,53.22) 246.13,53.25 246.13,58.03 247.11,59.01 247.11,60.63 246.15,61.59 246.15,72.25 v1(246.17,72.27) ; v1(227.12,38.93) 225.84,38.93 222.1,42.67 222.1,52.99 227.09,57.98 v1(227.12,57.98) 226.91,57.98 222.18,62.71 222.18,72.06 227.12,76.99 v1(227.12,77.03) ; v1(159.7,8.11) 159.69,8.12 156.75,8.12 154.57,10.31 154.57,10.31 150.8,14.08 150.8,22.94 149.63,24.11 149.63,29.47 v1(150.92,30.75) 150.92,30.76 150.92,35.59 151.86,36.53 151.86,39.52 149.9,41.48 149.9,48.77 v1(150.92,49.79) 150.64,50.06 150.64,54.36 151.86,55.58 151.86,58.52 149.63,60.75 149.63,67.55 v1(150.92,68.84) 150.92,69.23 151.8,70.12 157.31,70.12 161.86,65.57 170.91,65.57 ; 170,36.82 170,36.59 v1(169.97,36.55) ; 170,36.82 170,41.43 170.91,42.34 170.91,52.73 169.94,53.7 ; 170,36.82 170,17.79 172.92,14.87 178.59,14.87 v1(178.63,14.83) 178.63,13.2 179.8,12.03 179.92,12.03 180.38,12.13 193.09,12.13 198.46,17.5 v1(198.54,17.5) ; v1(208.07,79.41) 208.07,79.9 208.88,80.72 220.42,80.72 224.13,77.01 227.09,77.01 v1(227.12,77.03) ; v1(208.07,79.41) 207.21,78.56 190.05,78.56 189.02,77.52 v1(189.02,77.03) ; v1(208.07,79.41) 208.04,79.39 208.04,68.74 209.01,67.77 209.01,66.11 208.02,65.12 208.02,60.4 v1(208.07,60.36) 208.05,60.34 208.05,49.68 209.01,48.72 209.01,47.06 208.07,46.12 208.07,41.32 v1(208.07,41.31) ; v1(189.02,38.92) 189.02,43.78 189.96,44.72 189.96,46.34 188.81,47.49 179.49,47.49 177.73,49.25 177.73,52.04 181.26,55.57 187.74,55.57 189.02,56.85 v1(189.02,57.98) 188.99,58 188.99,62.76 189.96,63.73 189.96,65.39 188.98,66.37 188.98,77 v1(189.02,77.03) ; v1(167.3,51.41) 167.65,51.41 169.94,53.7 ; v1(246.17,72.27) 246.17,72.76 247.02,73.62 263.86,73.62 v1(265.22,72.27) 265.21,72.26 265.21,61.58 266.16,60.63 266.16,58.97 265.2,58.01 265.2,53.23 v1(265.22,53.22) 265.2,53.2 265.2,42.54 266.18,41.56 266.18,39.94 265.2,38.96 265.2,34.18 v1(265.22,34.17) ; v1(246.17,72.27) 245.92,72.27 239.86,78.33 227.93,78.33 227.12,77.52 v1(227.12,77.03) ; 169.94,53.7 169.94,57.54 v1(169.97,57.56) 169.94,57.59 169.94,60.42 170.91,61.39 170.91,71.8 169.97,72.75 v1(169.97,74.65) 169.97,75.14 171.02,76.2 188.18,76.2 v1(189.02,77.03)
  Bottom w0.203: rLED3.1 v1(169.97,57.56)
  Bottom w0.508: SW22.1 167.35,51.36 v1(167.3,51.41)
Net-(U1-ANT): length 2.9
  Bottom w0.15: 73.61,36.01 73.51,36.1 72.26,36.1 C14.2
  Bottom w0.254: L4.2 71.92,35.81
Net-(U1-DCC): length 5.5
  Bottom w0.15: 78.86,37.76 78.86,38.99 79.17,39.29 L2.2
Net-(U1-DCCH): length 4.5
  Bottom w0.15: U1.AB2 79.19,32.43 80.08,32.43 L3.2
Net-(U1-DEC1): length 3.8
  Bottom w0.15: C3.1 80.63,40.1 80.16,39.63 80.16,37.74 79.68,37.25 U1.C1
Net-(U1-DEC3): length 2.6
  Bottom w0.15: U1.D23 73.37,37 72.01,38.37 C4.1
Net-(U1-DEC4): length 15.2
  power w0.254: v1(77.5,42.03) 77.48,42.06 73.87,42.06 72.89,41.07 72.89,38.63 v3(71.8,37.54)
  Bottom w0.15: 73.11,36.76 72.33,37.54 v3(71.8,37.54) ; 78.39,37.78 C10.2 C9.2 77.48,41.52
  Bottom w0.254: L1.1 77.45,41.97 v1(77.5,42.03)
Net-(U1-DEC5): length 1.9
  Bottom w0.15: C5.1 71.9,33.97 72.45,34.52 72.87,34.52 73.11,34.76
Net-(U1-DECUSB): length 3.4
  Bottom w0.15: U1.AC5 78.51,32.1 79.41,32.1 C7.1
Net-(U1-P0.18/~{RESET}): length 36.7
  Top w0.15: rSMDSW3.2 rSMDSW3.2
  gnd w0.15: v3(76.37,33.02) 76.46,33.11 77.53,33.11 77.85,32.8 85.1,32.8 97.25,44.94 97.25,48.33 v1(97.51,48.58)
  Bottom w0.15: v3(76.37,33.02) 76.36,33.02 76.36,32.26
Net-(U1-XC1): length 6.3
  Bottom w0.15: Y1.1 71.86,43.3 C1.1 ; U1.B24 73.11,37.93 72.54,38.5 72.54,41.73 72.09,42.18
Net-(U1-XC2): length 4.9
  Bottom w0.15: 73.42,40.75 73.26,40.91 ; 73.61,38.26 72.94,38.93 72.94,40.77 ; Y1.3 73.66,41.08 74.44,41.86 74.44,42.23
Net-(U1-XL1/P0.00): length 4.1
  Bottom w0.15: 81.36,37.26 81.01,36.9 79.21,36.9 79.11,37.01 ; C15.2 80.91,37.91 Y2.1
Net-(U1-XL2/P0.01): length 5.3
  Bottom w0.15: C17.2 82.38,36.6 79.21,36.6 79.11,36.51 ; Y2.2 82.7,36.06
Net-(U2-ANT): length 3
  Bottom w0.15: C39.2 205.91,35.15 204.35,35.15 U2.H23
  Bottom w0.3: C39.2 207.14,35.42
Net-(U2-DCC): length 2.1
  Bottom w0.15: 199,33.47 198.09,32.56 198.09,31.71
Net-(U2-DCCH): length 5.1
  Bottom w0.15: U2.AB2 198.57,38.75 198.48,38.84 198.03,38.84 197.69,39.18 197.68,39.18 ; 198.71,38.79 198.7,38.79
  Bottom w0.254: 194.93,41.94 197.68,39.19 197.68,39.18
Net-(U2-DEC1): length 4.4
  Bottom w0.254: U2.C1 198.16,33.91 197.82,33.91 196.66,32.75 196.66,31.78 C37.1
Net-(U2-DEC3): length 2.5
  Bottom w0.15: 206.45,33.57 206.12,33.9 204.85,33.9 204.5,34.25 U2.D23
Net-(U2-DEC4): length 12.9
  power w0.254: v1(199.16,32.28) 199.92,33.04 204.09,33.04 v1(205.42,34.37)
  Bottom w0.15: U2.E24 205.3,34.5 v1(205.42,34.37)
  Bottom w0.254: L5.1 199.35,29.29 199.35,33.26 199.5,33.41 U2.B5
Net-(U2-DEC5): length 3.4
  Bottom w0.15: C35.1 206.76,38.47 204.79,36.5
Net-(U2-DECUSB): length 3
  Bottom w0.15: U2.AC5 199.35,39.15 198.5,39.15 198.35,39.29
  Bottom w0.254: 198.35,39.29 198.25,39.4 198.25,39.66 197.35,40.56
Net-(U2-P0.18/~{RESET}): length 37
  Top w0.15: rSMDSW1.2 185.06,43.34 185.06,37.99 187.4,35.65 196.92,35.65 199.14,37.86 200.92,37.86 v3(201.41,38.35)
  Top w0.254: rSMDSW1.2 rSMDSW1.2
  Bottom w0.15: U2.AC13 201.41,38.91 v3(201.41,38.35)
Net-(U2-XC1): length 5.8
  Bottom w0.15: Y3.1 207.63,29.47 ; 206.3,29.51 205.78,30.02 205.78,32.46 U2.B24
Net-(U2-XC2): length 4
  Bottom w0.15: 205.4,30.88 205.4,32.29 204.69,33 U2.A23 ; C43.1 205.03,30.51
Net-(U2-XL1/P0.00): length 7
  Bottom w0.15: C44.2 194.48,31.7 Y4.1 197.13,34.35 198.65,34.35 U2.D2
Net-(U2-XL2/P0.01): length 5.9
  Bottom w0.15: Y4.2 196.14,33.79 197,34.65 198.65,34.65 U2.F2 ; C45.2 195.15,33.77
Net-(U7-IN): length 4.8
  Bottom w0.254: U7.13 60.29,27.93 C21.1 60.27,27.95 60.27,27.03
Net-(U7-ISET): length 3
  Bottom w0.254: R10.1 R9.2 64.68,28.93 U7.16
Net-(U7-TS): length 2
  Bottom w0.254: U7.1 65.38,27.25 67.35,27.25
Net-(U8-IN): length 3.6
  Bottom w0.254: C49.1 214.57,20.05 F5.1 213.08,20.75 U8.13
Net-(U8-ISET): length 3.2
  Bottom w0.254: R17.1 211.31,21.41 U8.16 ; R16.2 211.32,19.66
Net-(U8-TS): length 2.8
  Bottom w0.254: U8.1 210.09,21.57 R19.1

## Copper pours and planes (outline as drawn; the poured copper is in the pictures)
GND on Top, Bottom: 51.66,44.53 51.83,29.09 71.17,28.75 71.22,45.04
GND on Top, Bottom: -0.45,86.63 37.56,86.88 37.54,92.13 56.55,92.16 56.53,94.02 77.58,94.13 77.55,91.89 96.75,91.82 96.73,89.55 115.97,89.51 116.03,86.8 134.9,86.79 135.45,26.7 123.11,-1.21 104.68,6.67 66.41,10.79 57.12,27.89 -0.46,27.52
GNDR on Top, Bottom: 207.62,42.68 207.16,25.99 229.62,25.76 229.29,42.99
GNDR on Top, Bottom: 155.7,-0.32 173.52,7.2 211.65,11.31 220.93,27.9 278.24,27.87 278.24,86.59 240.57,86.67 240.38,91.85 221.18,91.52 221.15,94.19 200.78,94.13 200.26,91.46 181.69,91.49 181.17,89.2 162.54,89.04 162.1,86.72 143.37,86.81 143.18,26.42 155.15,-0.56
GNDR on gnd: 141.08,95.56 139.24,-6.01 284.73,-1.4 283.22,96.4
(no net) on gnd: -0.26,86.78 37.79,86.71 37.7,91.63 56.78,91.5 57.05,93.88 77.19,93.8 77.75,91.4 96.19,91.48 96.71,89.1 115.31,89.14 115.75,86.62 134.37,86.59 134.51,26.37 122.72,-0.58 104.64,7.36 66.77,11.29 57.21,28.06 -0.12,28.08

Small or netless copper shapes (teardrops, artwork), in the pictures only: 123 on Top, 216 on Bottom, 69 on power, 25 on gnd

## Text on the board
B.Fab: Edge of body
B.Silkscreen: Jumper for LED | VBUS | VDDH | VDD_NRF | SWC | SWD | W | D+ | D- | POWER | +
User.Comments: 这里使用的是捷配的四层板配置算出来的阻抗50 Ohm
F.Fab: 5.1k
